# Altium PCB EVK-NORA-W1.PcbDoc (part 1 of 4) (continued)
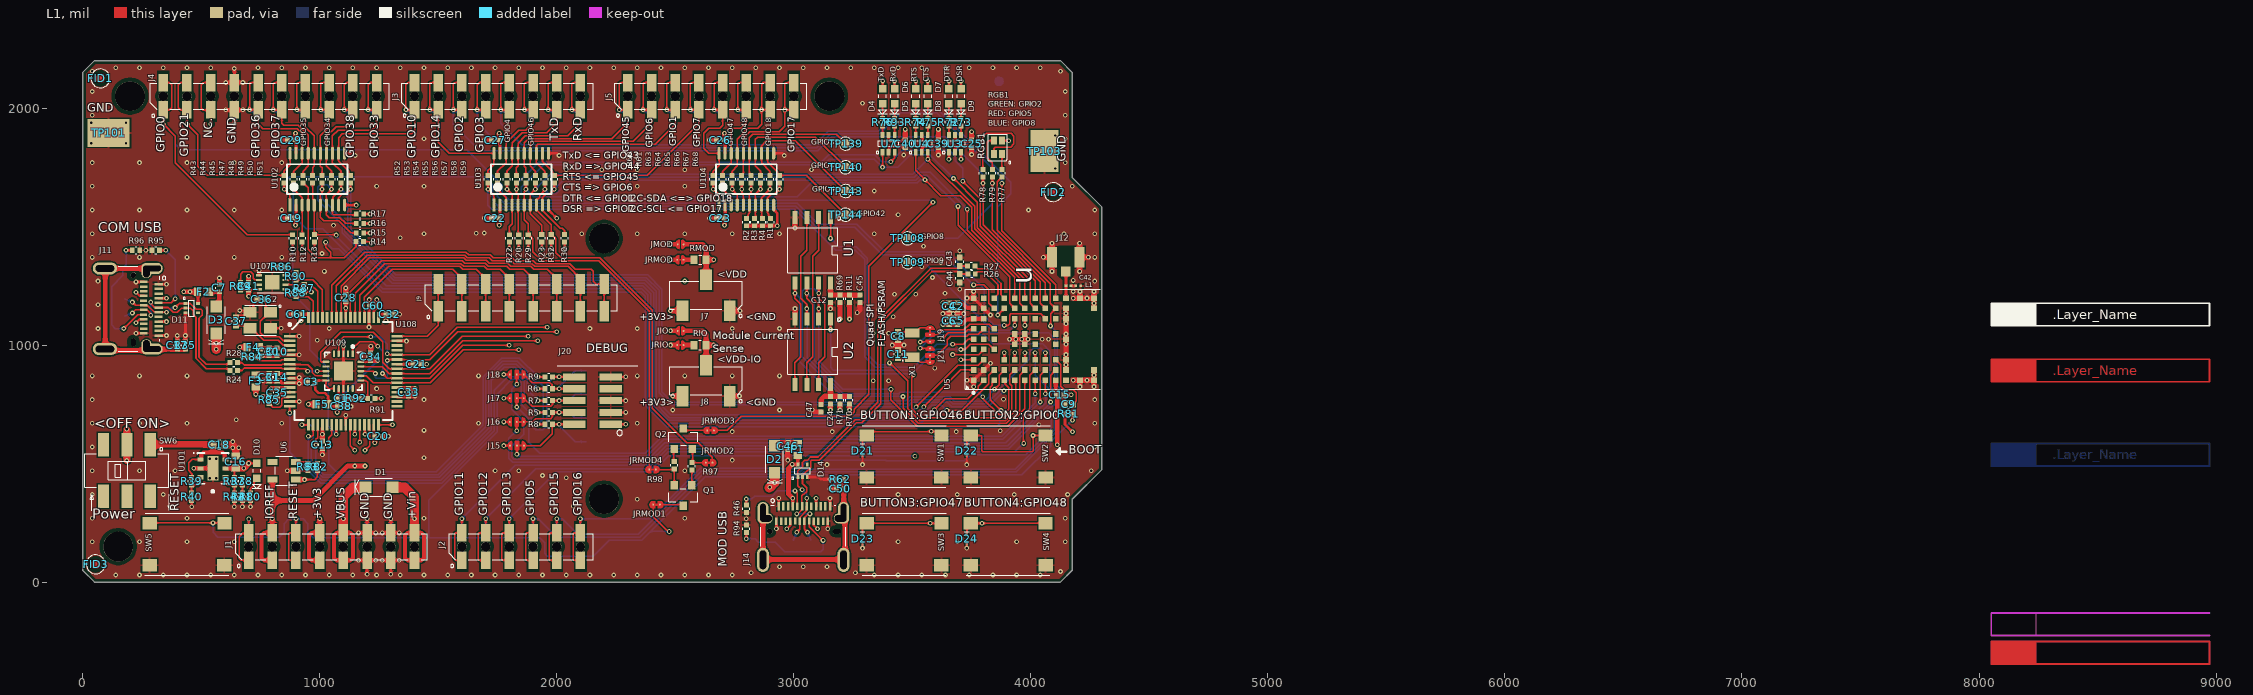
[diagram p0: L1 view]
## Components (designator, comment, footprint, x,y, rotation, side; value= is the part's Value field where it differs from the comment) (continued)
JRMOD "Solderbridge-ShortDNP" Solderbridge-Short#1 2535,1360 r180 top net-tie
JRMOD1 "Solderbridge-ShortDNP" Solderbridge-Short#2 2421,327 r0 top net-tie
JRMOD2 "Solderbridge-ShortDNP" Solderbridge-Short#2 2643,504 r0 top net-tie
JRMOD3 "Solderbridge-ShortDNP" Solderbridge-Short#2 2649,640 r180 top net-tie
JRMOD4 "Solderbridge-ShortDNP" Solderbridge-Short#2 2404,475 r180 top net-tie
L1 "UBXH09-00000301N5" "IND 0201 HD" 4200,1250 r0 top value=1N5
Q1 "UBXH20-0000052" SOT-23 2533,366 r270 top value=BCW66GLT3G
Q2 "UBXH20-0000052" SOT-23 2534,605 r90 top value=BCW66GLT3G
R1 "UBXH18-0008097100K" "RES 0402 HD"#1 2902,1519 r270 top value=100K
R2 "UBXH18-0008097100K" "RES 0402 HD"#1 2800,1519 r270 top value=100K
R3 "UBXH18-0008097100K" "RES 0402 HD"#1 2834,1519 r270 top value=100K
R4 "UBXH18-0008097100K" "RES 0402 HD"#1 2868,1519 r270 top value=100K
R5 "UBXH18-00030020R" "RES 0402 HD"#1 1966,716 r0 top value=0R
R6 "UBXH18-00030020R" "RES 0402 HD"#1 1966,816 r0 top value=0R
R7 "UBXH18-00030020R" "RES 0402 HD"#1 1966,766 r0 top value=0R
R8 "UBXH18-00030020R" "RES 0402 HD"#1 1966,666 r0 top value=0R
R9 "UBXH18-00030020R" "RES 0402 HD"#1 1966,866 r0 top value=0R
R10 "UBXH18-00030020R" "RES 0402 HD"#1 886,1450 r90 top value=0R
R11 "UBXH18-00030020R" "RES 0402 HD"#1 3235,1196 r90 top value=0R
R12 "UBXH18-00030020R" "RES 0402 HD"#1 926,1450 r90 top value=0R
R13 "UBXH18-00030020R" "RES 0402 HD"#1 977.5,1450.16 r90 top value=0R
R14 "UBXH18-00030020R" "RES 0402 HD"#1 1169.13,1436.41 r180 top value=0R
R15 "UBXH18-00030020R" "RES 0402 HD"#1 1170,1473 r180 top value=0R
R16 "UBXH18-00030020R" "RES 0402 HD"#1 1170,1513 r180 top value=0R
R17 "UBXH18-00030020R" "RES 0402 HD"#1 1170,1553 r180 top value=0R
R20 "UBXH18-00080491K0" "RES 0402 HD"#1 1840,1450 r90 top value=1K0
R22 "UBXH18-00080491K0" "RES 0402 HD"#1 1800,1450 r90 top value=1K0
R23 "UBXH18-00080491K0" "RES 0402 HD"#1 1937,1451 r90 top value=1K0
R24 "180-0012527R" "RES 0402 HD"#1 638,893 r180 top value=27R
R26 "UBXH18-00030020R" "RES 0402 HD"#1 3750,1300 r0 top value=0R
R27 "UBXH18-00030020R" "RES 0402 HD"#1 3749,1334 r0 top value=0R
R28 "180-0012527R" "RES 0402 HD"#1 638,926 r180 top value=27R
R29 "UBXH18-00080491K0" "RES 0402 HD"#1 1880,1450 r90 top value=1K0
R30 "UBXH18-00080491K0" "RES 0402 HD"#1 2033,1451 r90 top value=1K0
R32 "UBXH18-00080491K0" "RES 0402 HD"#1 1977,1451 r90 top value=1K0
R35 "180-0002410k" "RES 0402 HD"#1 433.43,998.34 r90 top value=10k
R37 "UBXH18-00030020R" "RES 0402 HD"#1 640,425 r90 top value=0R
R38 "UBXH18-00001388K2" "RES 0402 HD"#1 674,425 r90 top value=8K2
R39 "UBXH18-00030020R" "RES 0402 HD"#1 460,425 r90 top value=0R
R40 "UBXH18-00030020R" "RES 0402 HD"#1 460,360 r90 top value=0R
R41 "UBXH18-000006510K" "RES 0402 HD"#1 674,360 r90 top value=10K
R42 "UBXH18-000006510K" "RES 0402 HD"#1 640,360 r90 top value=10K
R43 "UBXH18-00030020R" "RES 0402 HD"#1 850,1700 r270 top value=0R
R44 "UBXH18-00030020R" "RES 0402 HD"#1 890,1700 r270 top value=0R
R45 "UBXH18-00030020R" "RES 0402 HD"#1 930,1700 r270 top value=0R
R46 "UBXH18-00080665K1" "RES 0402 HD"#1 2800,309 r90 top value=5K1
R47 "UBXH18-00030020R" "RES 0402 HD"#1 970,1700 r270 top value=0R
R48 "UBXH18-00030020R" "RES 0402 HD"#1 1010,1700 r270 top value=0R
R49 "UBXH18-00030020R" "RES 0402 HD"#1 1050,1700 r270 top value=0R
R50 "UBXH18-00030020R" "RES 0402 HD"#1 1090,1700 r270 top value=0R
R51 "UBXH18-00030020R" "RES 0402 HD"#1 1130,1700 r270 top value=0R
R52 "UBXH18-00030020R" "RES 0402 HD"#1 1710,1700 r270 top value=0R
R53 "UBXH18-00030020R" "RES 0402 HD"#1 1750,1700 r270 top value=0R
R54 "UBXH18-00030020R" "RES 0402 HD"#1 1790,1700 r270 top value=0R
R55 "UBXH18-00030020R" "RES 0402 HD"#1 1830,1700 r270 top value=0R
R56 "UBXH18-00030020R" "RES 0402 HD"#1 1870,1700 r270 top value=0R
R57 "UBXH18-00030020R" "RES 0402 HD"#1 1910,1700 r270 top value=0R
R58 "UBXH18-00030020R" "RES 0402 HD"#1 1950,1700 r270 top value=0R
R59 "UBXH18-00030020R" "RES 0402 HD"#1 1990,1700 r270 top value=0R
R60 "UBXH18-00030020R" "RES 0402 HD"#1 2660,1700 r270 top value=0R
R61 "UBXH18-00030020R" "RES 0402 HD"#1 2700,1700 r270 top value=0R
R62 "180-0002410k" "RES 0402 HD"#1 3195.01,434 r180 top value=10k
R63 "UBXH18-00030020R" "RES 0402 HD"#1 2740,1700 r270 top value=0R
R64 "UBXH18-00030020R" "RES 0402 HD"#1 2780,1700 r270 top value=0R
R65 "UBXH18-00030020R" "RES 0402 HD"#1 2820,1700 r270 top value=0R
R66 "UBXH18-00030020R" "RES 0402 HD"#1 2860,1700 r270 top value=0R
R67 "UBXH18-00030020R" "RES 0402 HD"#1 2900,1700 r270 top value=0R
R68 "UBXH18-00030020R" "RES 0402 HD"#1 2940,1700 r270 top value=0R
R69 "UBXH18-00030020R" "RES 0402 HD"#1 3195,1196 r90 top value=0R
R70 "UBXH18-00030020R" "RES 0402 HD"#1 3235,768 r90 top value=0R
R71 "UBXH18-00030020R" "RES 0402 HD"#1 3195,768 r90 top value=0R
R72 "UBXH18-0008041470R" "RES 0402 HD"#1 3654.41,1940 r90 top value=470R
R73 "UBXH18-0008041470R" "RES 0402 HD"#1 3705.59,1940 r90 top value=470R
R74 "UBXH18-0008041470R" "RES 0402 HD"#1 3514.41,1940 r90 top value=470R
R75 "UBXH18-0008041470R" "RES 0402 HD"#1 3565.59,1940 r90 top value=470R
R76 "UBXH18-0008041470R" "RES 0402 HD"#1 3374.41,1940 r90 top value=470R
R77 "UBXH18-0008046750R" "RES 0402 HD"#1 3878,1725 r90 top value=750R
R78 "UBXH18-0008041470R" "RES 0402 HD"#1 3798,1725 r90 top value=470R
R79 "UBXH18-0000216360R" "RES 0402 HD"#1 3838,1725 r90 top value=360R
R80 "UBXH18-0008041470R" "RES 0402 HD"#1 708,360 r90 top value=470R
R81 "UBXH18-0008097100K" "RES 0402 HD"#1 4160,710 r180 top value=100K
R82 "UBXH18-0008097100K" "RES 0402 HD"#1 990,486 r90 top value=100K
R83 "UBXH18-0008097100K" "RES 0402 HD"#1 950,486 r90 top value=100K
R84 "UBXH18-000013712K" "RES 0402 HD"#1 715,950 r0 top value=12K
R85 "UBXH18-00080572K2" "RES 0402 HD"#1 787,769 r270 top value=2K2
R86 "UBXH18-000807310K" "RES 0402 HD"#2 840,1330 r180 top value=10K
R87 "UBXH18-000807310K" "RES 0402 HD"#1 935,1240 r270 top value=10K
R88 "UBXH18-000807310K" "RES 0402 HD"#1 900,1220 r90 top value=10K
R89 "UBXH18-000807310K" "RES 0402 HD"#1 666,1248 r270 top value=10K
R90 "UBXH18-00080572K2" "RES 0402 HD"#1 900,1291 r90 top value=2K2
R91 "UBXH18-00080654K7" "RES 0402 HD"#1 1218,775 r0 top value=4K7
R92 "UBXH18-000807310K" "RES 0402 HD"#1 1154,775 r180 top value=10K
R93 "UBXH18-0008041470R" "RES 0402 HD"#1 3425.59,1940 r90 top value=470R
R94 "UBXH18-00080665K1" "RES 0402 HD"#1 2800,225 r90 top value=5K1
R95 "UBXH18-00080665K1" "RES 0402 HD"#1 309,1400 r0 top value=5K1
R96 "UBXH18-00080665K1" "RES 0402 HD"#1 225,1400 r0 top value=5K1
R97 "180-0002410k" "RES 0402 HD"#1 2570.4,489 r270 top value=10k
R98 "180-0002410k" "RES 0402 HD"#1 2495.6,493 r90 top value=10k
RGB1 "115-00026" LED_1616 3861,1834 r180 top
RIO "180-001091R" "RES 0603 HD" 2604,1000 r0 top value=1R
RMOD "180-001091R" "RES 0603 HD" 2605,1360 r0 top value=1R
SW1 "135-00002" SW_TACT_SMT_6mm 3465,530 r0 top locked
SW2 "135-00002" SW_TACT_SMT_6mm 3905,530 r0 top locked
SW3 "135-00002" SW_TACT_SMT_6mm 3465,160 r0 top locked
SW4 "135-00002" SW_TACT_SMT_6mm 3905,160 r0 top locked
SW5 "135-00002" SW_TACT_SMT_6mm 440,160 r0 top
SW6 "137-00006" SW_Slide_DPDT_JS202011SCQN 186.61,470.67 r180 top locked
TP1 "TP" TP10R#1 2125,592.61 r180 bottom
TP2 "TP" TP10R#1 2125,692.61 r90 bottom
TP3 "TP" TP10R#1 2125,892.61 r90 bottom
TP4 "TP" TP10R#1 2125,792.61 r90 bottom
TP11 "TP" TP10R#1 700,230.32 r180 bottom
TP12 "TP" TP10R#1 800,230.32 r90 bottom
TP13 "TP" TP10R#1 900,230.32 r90 bottom
TP14 "TP" TP10R#1 1000,230.32 r0 bottom
TP15 "TP" TP10R#1 1100,230.32 r90 bottom
TP16 "TP" TP10R#1 1300,230.32 r90 bottom
TP17 "TP" TP10R#1 1200,230.32 r90 bottom
TP18 "TP" TP10R#1 1400,230.32 r90 bottom
TP21 "TP" TP10R#1 1600,230.32 r90 bottom
TP22 "TP" TP10R#1 1700,230.32 r90 bottom
TP23 "TP" TP10R#1 1800,230.32 r90 bottom
TP24 "TP" TP10R#1 1900,230.32 r90 bottom
TP25 "TP" TP10R#1 2000,230.32 r90 bottom
TP26 "TP" TP10R#1 2100,230.32 r90 bottom
TP31 "TP" TP10R#1 1400,1968.5 r90 bottom
TP32 "TP" TP10R#1 1500,1968.5 r90 bottom
TP33 "TP" TP10R#1 1600,1968.5 r90 bottom
TP34 "TP" TP10R#1 1700,1968.5 r90 bottom
TP35 "TP" TP10R#1 1800,1968.5 r90 bottom
TP36 "TP" TP10R#1 1900,1968.5 r90 bottom
TP37 "TP" TP10R#1 2000,1968.5 r90 bottom
TP38 "TP" TP10R#1 2100,1968.5 r90 bottom
TP40 "TP" TP10R#1 1240,1968.5 r90 bottom
TP41 "TP" TP10R#1 340,1968.5 r90 bottom
TP42 "TP" TP10R#1 440,1968.5 r90 bottom
TP43 "TP" TP10R#1 541,1968.5 r90 bottom
TP44 "TP" TP10R#1 640,1968.5 r90 bottom
TP45 "TP" TP10R#1 740,1968.5 r270 bottom
TP46 "TP" TP10R#1 840,1968.5 r90 bottom
TP47 "TP" TP10R#1 940,1968.5 r90 bottom
TP48 "TP" TP10R#1 1040,1968.5 r90 bottom
TP49 "TP" TP10R#1 1140,1968.5 r90 bottom
TP51 "TP" TP10R#1 2300,1968.5 r90 bottom
TP52 "TP" TP10R#1 2400,1968.5 r90 bottom
TP53 "TP" TP10R#1 2500,1968.5 r90 bottom
TP54 "TP" TP10R#1 2600,1968.5 r90 bottom
TP55 "TP" TP10R#1 2700,1968.5 r90 bottom
TP56 "TP" TP10R#1 2800,1968.5 r90 bottom
TP57 "TP" TP10R#1 2900,1968.5 r90 bottom
TP58 "TP" TP10R#2 3001,1969 r90 bottom
TP101 "TP4.5x3SqDNP" TP4.5x3Sq 110,1895 r180 top
TP102 "TP4.5x3SqDNP" TP4.5x3Sq 110,1895 r180 bottom locked
TP103 "TP4.5x3SqDNP" TP4.5x3Sq 4057,1818 r90 top
TP104 "TP4.5x3SqDNP" TP4.5x3Sq 4057,1818 r270 bottom locked
TP108 "TP" TP10R#1 3480.31,1450 r90 top
TP109 "TP" TP10R#1 3480.31,1350 r90 top
TP111 "TP" TP10R#1 177.16,1194.88 r90 bottom
TP112 "TP" TP10R#1 177.16,1122.05 r90 bottom
TP139 "TP" TP10R#1 3218.5,1850 r90 top
TP140 "TP" TP10R#1 3218.5,1750 r90 top
TP141 "TP" TP10R#1 2998.66,177.16 r90 bottom
TP142 "TP" TP10R#1 3071.5,177.16 r90 bottom
TP143 "TP" TP10R#1 3218.5,1650 r90 top
TP144 "TP" TP10R#1 3218.5,1550 r90 top
TP601 "TP" TP10R#1 3305,2079 r90 bottom
TP602 "TP" TP10R#1 3480.31,1950 r90 bottom
TP603 "TP" TP10R#1 3218.5,1850 r90 bottom
TP604 "TP" TP10R#1 3480.31,1850 r90 bottom
TP605 "TP" TP10R#1 3218.5,1750 r90 bottom
TP606 "TP" TP10R#1 3480.31,1750 r90 bottom
TP607 "TP" TP10R#1 3218.5,1650 r90 bottom
TP608 "TP" TP10R#1 3480.31,1650 r90 bottom
TP609 "TP" TP10R#1 3218.5,1550 r90 bottom
TP610 "TP" TP10R#1 3480.31,1550 r90 bottom
TP611 "TP" TP10R#1 3218.5,1450 r90 bottom
TP612 "TP" TP10R#1 3480.31,1450 r90 bottom
TP613 "TP" TP10R#1 3218.5,1350 r90 bottom
TP614 "TP" TP10R#1 3480.31,1350 r90 bottom
TP615 "TP" TP10R#1 3218.5,1250 r90 bottom
TP616 "TP" TP10R#1 3480.31,1250 r90 bottom
TP617 "TP" TP10R#1 3218.5,1150 r90 bottom
TP618 "TP" TP10R#1 3480.31,1150 r90 bottom
TP619 "TP" TP10R#1 3218.5,1050 r90 bottom
TP620 "TP" TP10R#1 3480.31,1050 r90 bottom
TP621 "TP" TP10R#1 3218.5,950 r90 bottom
TP622 "TP" TP10R#1 3480.31,950 r90 bottom
TP623 "TP" TP10R#1 3218.5,850 r90 bottom
TP624 "TP" TP10R#1 3480.31,850 r90 bottom
U1 "240-00017" SOIC-8W 3080,1400 r270 top
U2 "240-00017" SOIC-8W 3080,972 r270 top
U3 "225-00022" SC70-6 3680,1850 r90 top
U4 "225-00022" SC70-6 3540,1850 r90 top
U5 "NORA-MODULE_ALT" NORA_LGA82R_1430X1040X180_ANT 3975,1025 r0 top value=NORA
U6 "265-00058" SOT-23-5 850,470 r180 top
U7 "225-00022" SC70-6 3400,1850 r90 top
U101 "NCP692MN33T2G" DFN-PSON.1P3X3-7pin_HS-7N 550,480 r0 top value=3.3V
U102 "TXS0108EPWR" TSSOP-20Pin-6.5x6.4 990,1700 r90 top
U103 "TXS0108EPWR" TSSOP-20Pin-6.5x6.4 1850,1700 r90 top
U104 "TXS0108EPWR" TSSOP-20Pin-6.5x6.4 2800,1700 r90 top
U107 "93AA56AT-I/MC" DFN0.5P-8Pin_W-Pad 800,1265 r180 top value=93AA56AT-I/OT
U108 "FT4232HL" QFP0.5P16x16-64Pin_HD 1100,890 r0 top
U109 "FT231XQ-R" QFN_5x5_FT231XQ 1100,890 r270 top
X1 "100-00005" XTAL_3215 3500,1000 r90 top
X2 "100-00006" XTAL_3225 750,1105 r180 top

## Footprints (in the part's own frame and the unit in brackets; to place one, negate y for a bottom-side part, rotate by r counter-clockwise, add the part's x,y. Pads: shape width x height; smd on the part's side, far side on the other; paste and mask are expansions set on the pad)
"Cap 0201 HD" [mm] "Chip Capacitor, 2-Leads, Body 0.60x0.30mm, IPC High Density"
  rect 0.3x0.3 smd: 1(-0.275,0) 2(0.275,0)
  body extent -0.32,-0.17 0.32,0.17, height 0.33
"Cap 0402" [mm] "Chip Capacitor, 2-Leads, Body 1.00x0.50mm, IPC Medium Density"
  rect 0.62x0.62 smd: 1(-0.45,0) 2(0.45,0)
  silkscreen extent -0.1,-0.43 0.1,0.43, body extent -0.55,-0.3 0.55,0.3, height 0.6
"Cap 0402 HD" [mm] "Chip Capacitor, 2-Leads, Body 1.00x0.50mm, IPC High Density"
  rect 0.52x0.55 smd: 1(-0.4,0) 2(0.4,0)
  silkscreen extent -0.1,-0.38 0.1,0.38, body extent -0.55,-0.3 0.55,0.3, height 0.6
"Cap 0603 HD" [mm] "Chip Cap 0603, 1.75mm x 9.5mm IPC High Density"
  rect 0.75x0.9 smd: 1(-0.65,0) 2(0.65,0)
  silkscreen extent -0.15,-0.5 0.15,0.5, body extent -0.87,-0.48 0.87,0.47, height 0.95
CON_USB-C-RA_W-6Tabs [mm] "USB Type-C connector DX07S024JJ3R1300"
  round 0.6 hole 0.6 unplated paste-0.3: 26(-3.6,0)
  oval 0.85x0.5 hole 0.5 slot 0.85 at 0 deg unplated paste-0.25: 26(3.6,0)
  rect 0.27x0.9 smd mask+0.05: A1(-2.625,2.7) A2(-2.125,2.7) A3(-1.625,2.7) A4(-1.125,2.7) A6(-0.125,2.7) A7(0.375,2.7) A9(1.375,2.7) A10(1.875,2.7) A11(2.375,2.7) A12(2.875,2.7)
  rect 0.27x0.849 smd mask+0.05: A5(-0.625,2.7) A8(0.875,2.7)
  rect 0.27x0.8 smd mask+0.05: B1(2.625,1.1) B2(2.125,1.1) B3(1.625,1.1) B4(1.125,1.1) B6(0.125,1.1) B7(-0.375,1.1) B9(-1.375,1.1) B10(-1.875,1.1) B11(-2.375,1.1) B12(-2.875,1.1)
  rect 0.27x0.749 smd mask+0.05: B5(0.625,1.1) B8(-0.875,1.1)
  rrect100% 1.2x2.3 hole 0.6 slot 1.9 at 90 deg paste-2.3: SHLD(-4.32,2) SHLD(4.32,2)
  rrect100% 1.3x2.6 hole 0.7 slot 2 at 90 deg paste-2.6: SHLD(-4.32,-3.05) SHLD(4.32,-3.05)
  rrect100% 1.65x1.1 hole 0.7 slot 1.25 at 0 deg copper offset -0.1,0 paste-1.65: SHLD(-3.995,1.4)
  rrect100% 1.65x1.1 hole 0.7 slot 1.25 at 0 deg copper offset 0.1,0 paste-1.65: SHLD(3.995,1.4)
  silkscreen extent -4.53,-1.6 4.53,3.49, body extent -4.47,-5.4 4.47,2.77, height 3.14
DFN0.5P-8Pin_W-Pad [mm] "DFN 0.5mm pitch, 8 Pin with Thermal Pad, 2mm x 3mm"
  rect 0.625x0.25 smd mask+0.05: 1(-1.412,0.75) 2(-1.412,0.25) 3(-1.412,-0.25) 4(-1.412,-0.75) 5(1.412,-0.75) 6(1.412,-0.25) 7(1.412,0.25) 8(1.412,0.75)
  rect 1.6x1.6 smd paste-0.3 mask+0.05: 9(0,0)
  silkscreen extent -2.07,-1.1 1.6,1.21, body extent -1.5,-1 1.5,1, height 0.65
DFN-PSON.1P3X3-7pin_HS-7N [mm] "PSON, 6-Leads, Body 3,00x3,00mm, Pitch 0,95mm, Thermal Pad 2,60x1,22mm, IPC Medium Density"
  rect 0.63x0.45 smd mask+0.05: 1(-1.34,0.95) 2(-1.34,0) 3(-1.34,-0.95) 4(1.34,-0.95) 5(1.34,0) 6(1.34,0.95)
  rect 1.22x2.6 smd mask+0.05: 7(0,0)
  silkscreen extent -2.1,-1.65 1.65,1.7, body extent -1.5,-1.5 1.5,1.5, height 1
FIDUCIAL40 [mil] "FIDUCIAL .040\" Center, 0.075\" Outer Dia"
  L1 circle w6: c0,0 r17.1
  L1 region: 0,-17.1 -6.54,-15.8 -12.09,-12.09 -15.8,-6.54 -17.1,0 -17.1,0 -15.8,6.54 -12.09,12.09 -6.54,15.8 0,17.1 0,17.1 6.54,15.8 12.09,12.09 15.8,6.54 17.1,0 17.1,0 15.8,-6.54 12.09,-12.09 6.54,-15.8 0,-17.1
  L1 pour cut-out: 0,-35 -13.39,-32.34 -24.75,-24.75 -32.34,-13.39 -35,0 -35,0 -32.34,13.39 -24.75,24.75 -13.39,32.34 0,35 0,35 13.39,32.34 24.75,24.75 32.34,13.39 35,0 35,0 32.34,-13.39 24.75,-24.75 13.39,-32.34 0,-35
  silkscreen extent -40,-40 40,40
HDR-0.1P-3Pin-1Row-SMT [mm] "Header 0.1\" Pitch, 3 Pin, 3x1, Surface Mount"
  rect 1.27x2.2 smd: 1(-2.54,1.65) 2(0,-1.65) 3(2.54,1.65)
  silkscreen extent -3.9,-1.5 3.9,2.38, body extent -3.81,-2.54 3.81,2.54, height 9.93
HDR.050P-10Pin-2x5-SMT_Key [mm] "Header, 0.05\" Pitch, 10 Pin 2 x 5, Keyed, SMT, 6.35mm x 5.84mm"
  rect 0.76x2.4 smd: 1(-2.54,-1.95) 2(-2.54,1.95) 3(-1.27,-1.95) 4(-1.27,1.95) 5(0,-1.95) 6(0,1.95) 7(1.27,-1.95) 8(1.27,1.95) 9(2.54,-1.95) 10(2.54,1.95)
  silkscreen extent -3.75,-3.2 -3.15,-2.6, body extent -3.4,-2.9 3.4,2.9, height 5.96
"IND 0201 HD" [mm] "Chip Inductor 0201 HD, 2-Leads, Body 0.60x0.30mm, IPC Medium Density"
  rect 0.3x0.3 smd: 1(-0.275,0) 2(0.275,0)
  body extent -0.32,-0.17 0.32,0.17, height 0.33
"IND 0603 HD" [mm] "Chip Inductor 0603, 2-Leads, Body 1.60x0.80mm, IPC High Density"
  rect 0.75x0.9 smd: 1(-0.65,0) 2(0.65,0)
  body extent -0.85,-0.45 0.85,0.45, height 0.9
LED-0603 [mm] "led-0603"
  rect 0.8x0.8 smd: 1(-0.8,0) 2(0.8,0)
  silkscreen extent -1.89,-0.48 0.15,0.52, body extent -0.8,-0.4 0.8,0.4, height 0.6
LED_1616 [mm]
  rect 0.65x0.85 smd: 1(-0.425,0.725) 2(0.425,0.725) 3(0.425,-0.725) 4(-0.425,-0.725)
  silkscreen extent -1.4,-1.42 1.01,1.75, body extent -0.83,-0.83 0.83,0.83, height 0.4
NORA_LGA82R_1430X1040X180_ANT [mm] "NORA LGA, 82pin ,1.1mm Pitch, 14.3mm x 10.4mm"
  rect 0.6x0.6 smd: A1(-5.5,-4.4) A2(-5.5,-3.3) A3(-5.5,-2.2) A4(-5.5,-1.1) A5(-5.5,0) A6(-5.5,1.1) A7(-5.5,2.2) A8(-5.5,3.3) A9(-5.5,4.4) B1(-4.4,-4.4) B2(-4.4,-3.3) B3(-4.4,-2.2) B4(-4.4,-1.1) B5(-4.4,0) B6(-4.4,1.1) B7(-4.4,2.2) B8(-4.4,3.3) B9(-4.4,4.4) C1(-3.3,-4.4) C2(-3.3,-3.3) C4(-3.3,-1.1) C5(-3.3,0) C6(-3.3,1.1) C8(-3.3,3.3) C9(-3.3,4.4) D1(-2.2,-4.4) D2(-2.2,-3.3) D3(-2.2,-2.2) D7(-2.2,2.2) D8(-2.2,3.3) D9(-2.2,4.4) E1(-1.1,-4.4) E2(-1.1,-3.3) E3(-1.1,-2.2) E4(-1.1,-0.55) E5(-1.1,0.55) E7(-1.1,2.2) E8(-1.1,3.3) E9(-1.1,4.4) F1(0,-4.4) F2(0,-3.3) F3(0,-2.2) F4(0,-0.55) F5(0,0.55) F7(0,2.2) F8(0,3.3) F9(0,4.4) G1(1.1,-4.4) G2(1.1,-3.3) G3(1.1,-2.2) G4(1.1,-0.55) G5(1.1,0.55) G7(1.1,2.2) G8(1.1,3.3) G9(1.1,4.4) H1(2.2,-4.4) H2(2.2,-3.3) H3(2.2,-2.2) H7(2.2,2.2) H8(2.2,3.3) H9(2.2,4.4) J1(3.3,-4.4) J2(3.3,-3.3) J3(3.3,-2.2) J4(3.3,-0.55) J5(3.3,0.55) J7(3.3,2.2) J8(3.3,3.3) J9(3.3,4.4) K1(4.4,-4.4) K2(4.4,-3.3) K3(4.4,-2.2) K5(4.4,0) K7(4.4,2.2) K8(4.4,3.3) K9(4.4,4.4) L1(5.9,-4.4) L9(5.9,4.4) M1(7.4,-4.4) M2(7.4,-3.3) M8(7.4,3.3) M9(7.4,4.4)
  Multi-Layer pour cut-out: 7.1,-4.1 7.1,-3.001 7.9,-2.998 7.9,-5.225 8.25,-5.225 8.25,5.325 7.9,5.325 7.9,3 7.1,3 7.1,4.1 4.7,4.1 4.7,-4.1
  silkscreen extent -6.4,-5.85 8.05,5.35, body extent -6.25,-5.2 8.05,5.2, height 1.78
QFN_5x5_FT231XQ [mm]
  rect 0.74x0.242 smd paste+0 mask+0: 1(-1.866,1)
  rrect100% 0.74x0.242 smd paste+0 mask+0: 2(-1.866,0.5) 3(-1.866,0) 4(-1.866,-0.5) 5(-1.866,-1) 11(1.866,-1) 12(1.866,-0.5) 13(1.866,0) 14(1.866,0.5) 15(1.866,1)
  rrect100% 0.242x0.74 smd paste+0 mask+0: 6(-1,-1.866) 7(-0.5,-1.866) 8(0,-1.866) 9(0.5,-1.866) 10(1,-1.866) 16(1,1.866) 17(0.5,1.866) 18(0,1.866) 19(-0.5,1.866) 20(-1,1.866)
  rect 2.05x2.05 smd paste-1000 mask+0: 21(0,0)
  silkscreen extent -2.76,-2 2,2, body extent -2.34,-2.34 2.34,2.34, height 0.25
QFP0.5P16x16-64Pin_HD [mm] "Thin QFP, 64Pin, Body 10x10mm, Pitch 0.5mm, IPC High Density"
  rect 1.2x0.3 smd mask+0.05: 1(-5.75,3.75) 2(-5.75,3.25) 3(-5.75,2.75) 4(-5.75,2.25) 5(-5.75,1.75) 6(-5.75,1.25) 7(-5.75,0.75) 8(-5.75,0.25) 9(-5.75,-0.25) 10(-5.75,-0.75) 11(-5.75,-1.25) 12(-5.75,-1.75) 13(-5.75,-2.25) 14(-5.75,-2.75) 15(-5.75,-3.25) 16(-5.75,-3.75) 33(5.75,-3.75) 34(5.75,-3.25) 35(5.75,-2.75) 36(5.75,-2.25) 37(5.75,-1.75) 38(5.75,-1.25) 39(5.75,-0.75) 40(5.75,-0.25) 41(5.75,0.25) 42(5.75,0.75) 43(5.75,1.25) 44(5.75,1.75) 45(5.75,2.25) 46(5.75,2.75) 47(5.75,3.25) 48(5.75,3.75)
  rect 0.3x1.2 smd mask+0.05: 17(-3.75,-5.75) 18(-3.25,-5.75) 19(-2.75,-5.75) 20(-2.25,-5.75) 21(-1.75,-5.75) 22(-1.25,-5.75) 23(-0.75,-5.75) 24(-0.25,-5.75) 25(0.25,-5.75) 26(0.75,-5.75) 27(1.25,-5.75) 28(1.75,-5.75) 29(2.25,-5.75) 30(2.75,-5.75) 31(3.25,-5.75) 32(3.75,-5.75) 49(3.75,5.75) 50(3.25,5.75) 51(2.75,5.75) 52(2.25,5.75) 53(1.75,5.75) 54(1.25,5.75) 55(0.75,5.75) 56(0.25,5.75) 57(-0.25,5.75) 58(-0.75,5.75) 59(-1.25,5.75) 60(-1.75,5.75) 61(-2.25,5.75) 62(-2.75,5.75) 63(-3.25,5.75) 64(-3.75,5.75)
  silkscreen extent -5.87,-5.25 5.25,5.5, body extent -5,-5 5,5, height 1.6
"RES 0402 HD"#1 [mm] "Chip Resistor, 2-Leads, Body 1.05x0.54mm, IPC High Density"
  rect 0.52x0.55 smd: 1(-0.4,0) 2(0.4,0)
  silkscreen extent -0.1,-0.38 0.1,0.38, body extent -0.55,-0.3 0.55,0.3, height 0.4
"RES 0402 HD"#2 [mm] "Chip Resistor, 2-Leads, Body 1.05x0.54mm, IPC High Density"
  rect 0.52x0.55 smd: 1(-0.385,0) 2(0.4,0)
  silkscreen extent -0.1,-0.38 0.1,0.38, body extent -0.55,-0.3 0.55,0.3, height 0.4
"RES 0603 HD" [mm] "Chip Resistor, 2-Leads, Body 1.60x0.80mm, IPC High Density"
  rect 0.75x0.9 smd: 1(-0.65,0) 2(0.65,0)
  silkscreen extent -0.15,-0.5 0.15,0.5, body extent -0.85,-0.48 0.85,0.48, height 0.55
SC70-6 [mm] "SC70-6, 6-Pin, Body 2.00x2.10mm, Pitch 0.65mm, IPC High Density"
  rect 0.66x0.4 smd: 1(-0.925,0.65) 2(-0.925,0) 3(-0.925,-0.65) 4(0.925,-0.65) 5(0.925,0) 6(0.925,0.65)
  silkscreen extent -1.1,-1.1 0.3,1.35, body extent -0.67,-1.1 0.67,1.1, height 1.1
SKT-0.1P-SSM-106-L-SV [mm] "Con Socket Strip 0.1\" 6Pin 1Row SMD 15.24mm x 2.54mm"
  rect 1.02x1.88 smd: 1(-6.35,-1.465) 1(-6.35,1.465) 2(-3.81,-1.465) 2(-3.81,1.465) 3(-1.27,-1.465) 3(-1.27,1.465) 4(1.27,-1.465) 4(1.27,1.465) 5(3.81,-1.465) 5(3.81,1.465) 6(6.35,1.465) 6(6.35,-1.465)
  silkscreen extent -7.73,-2.25 7.73,1.4, body extent -7.62,-2.29 7.62,2.29, height 7.47
SKT-0.1P-SSM-108-L-SV#1 [mm] "Con Socket Strip 0.1\" 8 Pin 1Row SMD, 20.32mm x 2.54mm"
  rect 1.02x1.88 smd: 1(-8.89,-1.465) 1(-8.89,1.465) 2(-6.35,-1.465) 2(-6.35,1.465) 3(-3.81,-1.465) 3(-3.81,1.465) 4(-1.27,-1.465) 4(-1.27,1.465) 5(1.27,-1.465) 5(1.27,1.465) 6(3.81,1.465) 6(3.81,-1.465) 7(6.35,-1.465) 7(6.35,1.465) 8(8.89,-1.465) 8(8.89,1.465)
  silkscreen extent -10.28,-2.25 10.28,1.4, body extent -10.16,-2.29 10.16,2.29, height 7.44
SKT-0.1P-SSM-108-L-SV#2 [mm] "Con Socket Strip 0.1\" 8 Pin 1Row SMD, 20.32mm x 2.54mm"
  rect 1.02x2.19 smd: 1(-8.89,-1.465) 1(-8.89,1.465) 2(-6.35,-1.465) 2(-6.35,1.465) 3(-3.81,-1.465) 3(-3.81,1.465) 4(-1.27,-1.465) 4(-1.27,1.465) 5(1.27,-1.465) 5(1.27,1.465) 6(3.81,1.465) 6(3.81,-1.465) 7(6.35,-1.465) 7(6.35,1.465) 8(8.89,-1.465) 8(8.89,1.465)
  silkscreen extent -10.28,-2.25 10.28,1.4, body extent -10.16,-2.29 10.16,2.29, height 7.44
SKT-0.1P-SSM-110-L-SV [mm] "Con Socket Strip 0.1\" 10Pin 1Row SMD, 24.5mm x 4.42mm"
  rect 1.02x1.88 smd: 1(-11.43,-1.465) 1(-11.43,1.465) 2(-8.89,-1.465) 2(-8.89,1.465) 3(-6.35,-1.465) 3(-6.35,1.465) 4(-3.81,-1.465) 4(-3.81,1.465) 5(-1.27,-1.465) 5(-1.27,1.465) 6(1.27,-1.465) 6(1.27,1.465) 7(3.81,-1.465) 7(3.81,1.465) 8(6.35,-1.465) 8(6.35,1.465) 9(8.89,-1.465) 9(8.89,1.465) 10(11.43,-1.465) 10(11.43,1.465)
  silkscreen extent -12.83,-2.27 12.8,1.4, body extent -12.7,-2.29 12.7,2.29, height 7.44
SOD-123F_U [mm] "SOD-123F, Unidirectional, 2-Leads, Body 1.65x3.60mm, IPC High Density"
  rect 1.25x1.2 smd: A(1.45,0) C(-1.45,0)
  silkscreen extent -2.52,-0.95 1.43,0.95, body extent -1.45,-0.9 1.45,0.9, height 0.98
SOD-923 [mm] "SOD-923, 2-Leads, Body 1.25x2.50mm, IPC High Density,"
  rect 0.36x0.25 smd mask+0.05: 1(-0.42,0) 2(0.42,0)
  silkscreen extent -0.75,-0.25 -0.75,0.25, body extent -0.4,-0.3 0.4,0.3, height 0.4
SOIC-8W [mm] "SOIC, 8-Leads, Wide Body 5.28x5.28mm, Pitch 1.27mm, IPC High Density"
  rect 1.4x0.55 smd: 1(-3.5,1.905) 2(-3.5,0.635) 3(-3.5,-0.635) 4(-3.5,-1.905) 5(3.5,-1.905) 6(3.5,-0.635) 7(3.5,0.635) 8(3.5,1.905)
  silkscreen extent -3.62,-2.7 2.4,2.99, body extent -2.7,-2.7 2.7,2.7, height 2.16
Solderbridge-Open#1 [mm]
  round 0.2 smd paste-10: 1(0,0) 2(0.625,0)
  L1 region: 0.389,0.432 0.465,0.505 0.583,0.467 0.648,0.424 0.721,0.351 0.775,0.292 0.833,0.193 0.861,0.099 0.856,-0.122 0.831,-0.193 0.747,-0.33 0.663,-0.411 0.571,-0.469 0.47,-0.5 0.419,-0.483 0.389,-0.43
  L1 region: 0.236,-0.432 0.16,-0.505 0.042,-0.467 -0.023,-0.424 -0.097,-0.351 -0.15,-0.292 -0.208,-0.193 -0.236,-0.099 -0.231,0.122 -0.206,0.193 -0.122,0.33 -0.038,0.411 0.054,0.469 0.155,0.5 0.206,0.483 0.236,0.43
  L1 lines w0.152: 0.159,0.431 ccw(c0.27,0) 0.025,0.371 ccw(c0.27,0) 0,0.353 ccw(c0.27,0) -0.149,0.149 ccw(c0.27,0) -0.175,0 ccw(c0.27,0) -0.137,-0.178 ccw(c0.27,0) -0.025,-0.333 ccw(c0.27,0) 0,-0.353 ccw(c0.27,0) 0.159,-0.431
Solderbridge-Open#2 [mm]
  round 0.2 smd paste-10: 1(0,0) 2(0.625,0)
  L1 region: 0.389,0.432 0.465,0.505 0.583,0.467 0.648,0.424 0.721,0.351 0.775,0.292 0.833,0.193 0.861,0.099 0.856,-0.122 0.831,-0.193 0.747,-0.33 0.663,-0.411 0.571,-0.469 0.47,-0.5 0.419,-0.483 0.389,-0.43
  L1 region: 0.236,-0.432 0.16,-0.505 0.042,-0.467 -0.023,-0.424 -0.097,-0.351 -0.15,-0.292 -0.208,-0.193 -0.236,-0.099 -0.231,0.122 -0.206,0.193 -0.122,0.33 -0.038,0.411 0.054,0.469 0.155,0.5 0.206,0.483 0.236,0.43
  L1 lines w0.152: 0.465,0.431 cw(c0.355,0) 0.548,0.4 cw(c0.355,0) 0.774,0.149 cw(c0.355,0) 0.796,0.057 cw(c0.355,0) 0.799,0 cw(c0.355,0) 0.774,-0.149 cw(c0.355,0) 0.625,-0.353 cw(c0.355,0) 0.465,-0.431 ; 0.159,0.431 ccw(c0.27,0) 0.025,0.371 ccw(c0.27,0) 0,0.353 ccw(c0.27,0) -0.035,0.324 ccw(c0.27,0) -0.047,0.312 ccw(c0.27,0) -0.149,0.149 ccw(c0.27,0) -0.175,0 ccw(c0.27,0) -0.149,-0.149 ccw(c0.27,0) 0.159,-0.431
Solderbridge-Option [mm]
  round 0.2 smd paste-10: 1(0,0) 2(0.75,0) 3(1.501,0)
  L1 region: 1.265,0.432 1.341,0.505 1.459,0.467 1.523,0.424 1.597,0.351 1.65,0.292 1.709,0.193 1.737,0.099 1.732,-0.122 1.706,-0.193 1.623,-0.33 1.539,-0.411 1.447,-0.469 1.346,-0.5 1.295,-0.483 1.265,-0.43
  L1 region: 0.236,-0.432 0.16,-0.505 0.042,-0.467 -0.023,-0.424 -0.097,-0.351 -0.15,-0.292 -0.208,-0.193 -0.236,-0.099 -0.231,0.122 -0.206,0.193 -0.122,0.33 -0.038,0.411 0.054,0.469 0.155,0.5 0.206,0.483 0.236,0.43
  L1 region: 0.575,0.45 0.575,-0.45 0.925,-0.45 0.925,0.45
  L1 lines w0.152: 1.341,0.431 cw(c1.231,0) 1.341,-0.431 ; 0.159,0.431 ccw(c0.27,0) 0.159,-0.431
  L1 lines w0.153: 0.925,0.45 0.925,-0.45 0.575,-0.45 0.575,0.45 0.925,0.45
  L1 lines w0.203: 0.75,0 0,0
Solderbridge-Short#1 [mm]
  round 0.2 smd paste-10: 1(0,0) 2(0.676,0)
  L1 region: 0.44,0.432 0.516,0.505 0.634,0.467 0.698,0.424 0.772,0.351 0.826,0.292 0.884,0.193 0.912,0.099 0.907,-0.122 0.881,-0.193 0.798,-0.33 0.714,-0.411 0.622,-0.469 0.521,-0.5 0.47,-0.483 0.44,-0.43
  L1 region: 0.236,-0.432 0.16,-0.505 0.042,-0.467 -0.023,-0.424 -0.097,-0.351 -0.15,-0.292 -0.208,-0.193 -0.236,-0.099 -0.231,0.122 -0.206,0.193 -0.122,0.33 -0.038,0.411 0.054,0.469 0.155,0.5 0.206,0.483 0.236,0.43
  L1 lines w0.152: 0.516,0.431 cw(c0.406,0) 0.516,-0.431 ; 0.159,0.431 ccw(c0.27,0) 0.159,-0.431
  L1 lines w0.203: 0.676,0 0,0
Solderbridge-Short#2 [mm]
  round 0.2 smd paste-10: 1(-0.356,0) 2(0.356,0)
  L1 region: -0.152,-0.127 0.152,-0.127 0.152,0.127 -0.152,0.127
  L1 region: -0.127,0.381 -0.381,0.381 -0.527,0.352 -0.65,0.269 -0.733,0.146 -0.762,0 -0.762,0 -0.733,-0.146 -0.65,-0.269 -0.527,-0.352 -0.381,-0.381 -0.381,-0.381 -0.127,-0.381
  L1 region: 0.127,-0.381 0.381,-0.381 0.527,-0.352 0.65,-0.269 0.733,-0.146 0.762,0 0.762,0 0.733,0.146 0.65,0.269 0.527,0.352 0.381,0.381 0.381,0.381 0.127,0.381
SOT-23 [mm] "SOT23, 3-Leads, Body 2.92x2.40mm, Pitch 0.95mm, IPC Medium Density"
  rect 0.9x0.8 smd: 1(-1.1,0.95) 2(-1.1,-0.95) 3(1.1,0)
  silkscreen extent -0.7,-1.55 0.7,1.55, body extent -0.7,-1.52 0.7,1.53, height 1.2
SOT-23-5 [mm] "SOT23-5, 5-Leads, Body 3.1x2.8mm, Pitch 0.95mm, IPC Medium Density"
  rect 1.05x0.66 smd: 1(-1.25,0.95) 2(-1.25,0) 3(-1.25,-0.95) 4(1.25,-0.95) 5(1.25,0.95)
  silkscreen extent -0.9,-1.58 0.92,1.58, body extent -0.9,-1.55 0.9,1.55, height 1.45
SOT-553 [mm] "SOT-553, 5 lead 0.50mm pitch, 1.3mm x 1.7mm"
  rect 0.45x0.3 smd mask+0.05: 1(-0.675,0.5) 2(-0.675,0) 3(-0.675,-0.5) 4(0.675,-0.5) 5(0.675,0.5)
  silkscreen extent -0.92,-0.85 0.3,1.17, body extent -0.68,-0.85 0.67,0.85, height 0.6
SW_Slide_DPDT_JS202011SCQN [mm] "SWITCH SLIDE DPDT 300MA 6V SMD"
  rect 1.2x2.5 smd: 1(-2.5,-2.75) 2(0,-2.75) 3(2.5,-2.75) 4(-2.5,2.75) 5(0,2.75) 6(2.5,2.75)
  silkscreen extent -4.5,-2.47 4.5,1.8, body extent -4.52,-3.75 4.52,3.75, height 5.5
SW_TACT_SMT_6mm [mm] "Tactile Switch, SMT 6mm x 6mm, height 4.3mm, actuator 160gf"
  rect 1.55x1.3 smd: 1(-4,2.25) 3(-4,-2.25) 4(4,-2.25)
  rect 1.5x1.3 smd: 2(4,2.25)
  silkscreen extent -4.5,-3.3 4.5,3.3, body extent -4.5,-3.1 4.5,3.1, height 4.29
TP4.5x3Sq [mm] "Test Point, 4.5mm x 3.0mm Square"
  rect 4.5x3 smd paste-2.54: 1(0,0)
TP10R#1 [mm] "Testpoint, Round 1.0mm Dia"
  round 1 smd paste-0.5: 1(0,0)
  silkscreen extent -0.7,-0.7 0.7,0.7, body extent -0.5,-0.5 0.5,0.5, height 0.05
TP10R#2 [mm] "Testpoint, Round 1.0mm Dia"
  round 1 smd: 1(0,0)
  silkscreen extent -0.7,-0.7 0.7,0.7, body extent -0.5,-0.5 0.5,0.5, height 0.05
TSSOP-20Pin-6.5x6.4 [mm]
  rect 1.355x0.341 smd paste+0 mask+0: 1(-2.775,2.925)
  rrect100% 1.355x0.341 smd paste+0 mask+0: 2(-2.775,2.275) 3(-2.775,1.625) 4(-2.775,0.975) 5(-2.775,0.325) 6(-2.775,-0.325) 7(-2.775,-0.975) 8(-2.775,-1.625) 9(-2.775,-2.275) 10(-2.775,-2.925) 11(2.775,-2.925) 12(2.775,-2.275) 13(2.775,-1.625) 14(2.775,-0.975) 15(2.775,-0.325) 16(2.775,0.325) 17(2.775,0.975) 18(2.775,1.625) 19(2.775,2.275) 20(2.775,2.925)
  silkscreen extent -4.15,-3.25 1.6,3.25, body extent -3.55,-3.35 3.55,3.35, height 0.25
U.FL_3Pin [mm] "U.FL Coax Jack, 50 ohm, 3 Pins, 3mm x 3.1mm"
  rect 1x1.05 smd: 1(0,-1.5)
  rect 1.05x2.2 smd: 2(-1.475,0) 2(1.475,0)
  body extent -1.5,-1.55 1.5,1.55, height 1.24
XTAL_3215 [mm] "XTAL, 2-Leads, Body 1.50x3.20mm"
  rect 1x1.55 smd: 1(-1.3,0) 2(1.3,0)
  silkscreen extent -1.7,0.97 -1.6,1.07, body extent -1.65,-0.8 1.65,0.8, height 0.9
XTAL_3225 [mm] "Crystal, 4 lead, 3.2mm x 2.5mm"
  rect 1.4x1.15 smd: 1(-1.1,-0.85) 2(1.1,-0.85) 3(1.1,0.85) 4(-1.1,0.85)
  silkscreen extent -2.23,-1.62 1.7,1.6, body extent -1.7,-1.35 1.7,1.35, height 0.8